# Altium PCB StepTMC5160.PcbDoc (part 2 of 3)
Units mm, origin at the board's own origin, x right, y up, seen from the top; angles counter-clockwise.
Board outline 116.59 x 111.76 mm, 4 copper layers (Component Side, GND, VCC, Bottom Layer), stack 0.778 mm thick; 199 components, 142 nets, 717 pads, 598 vias.
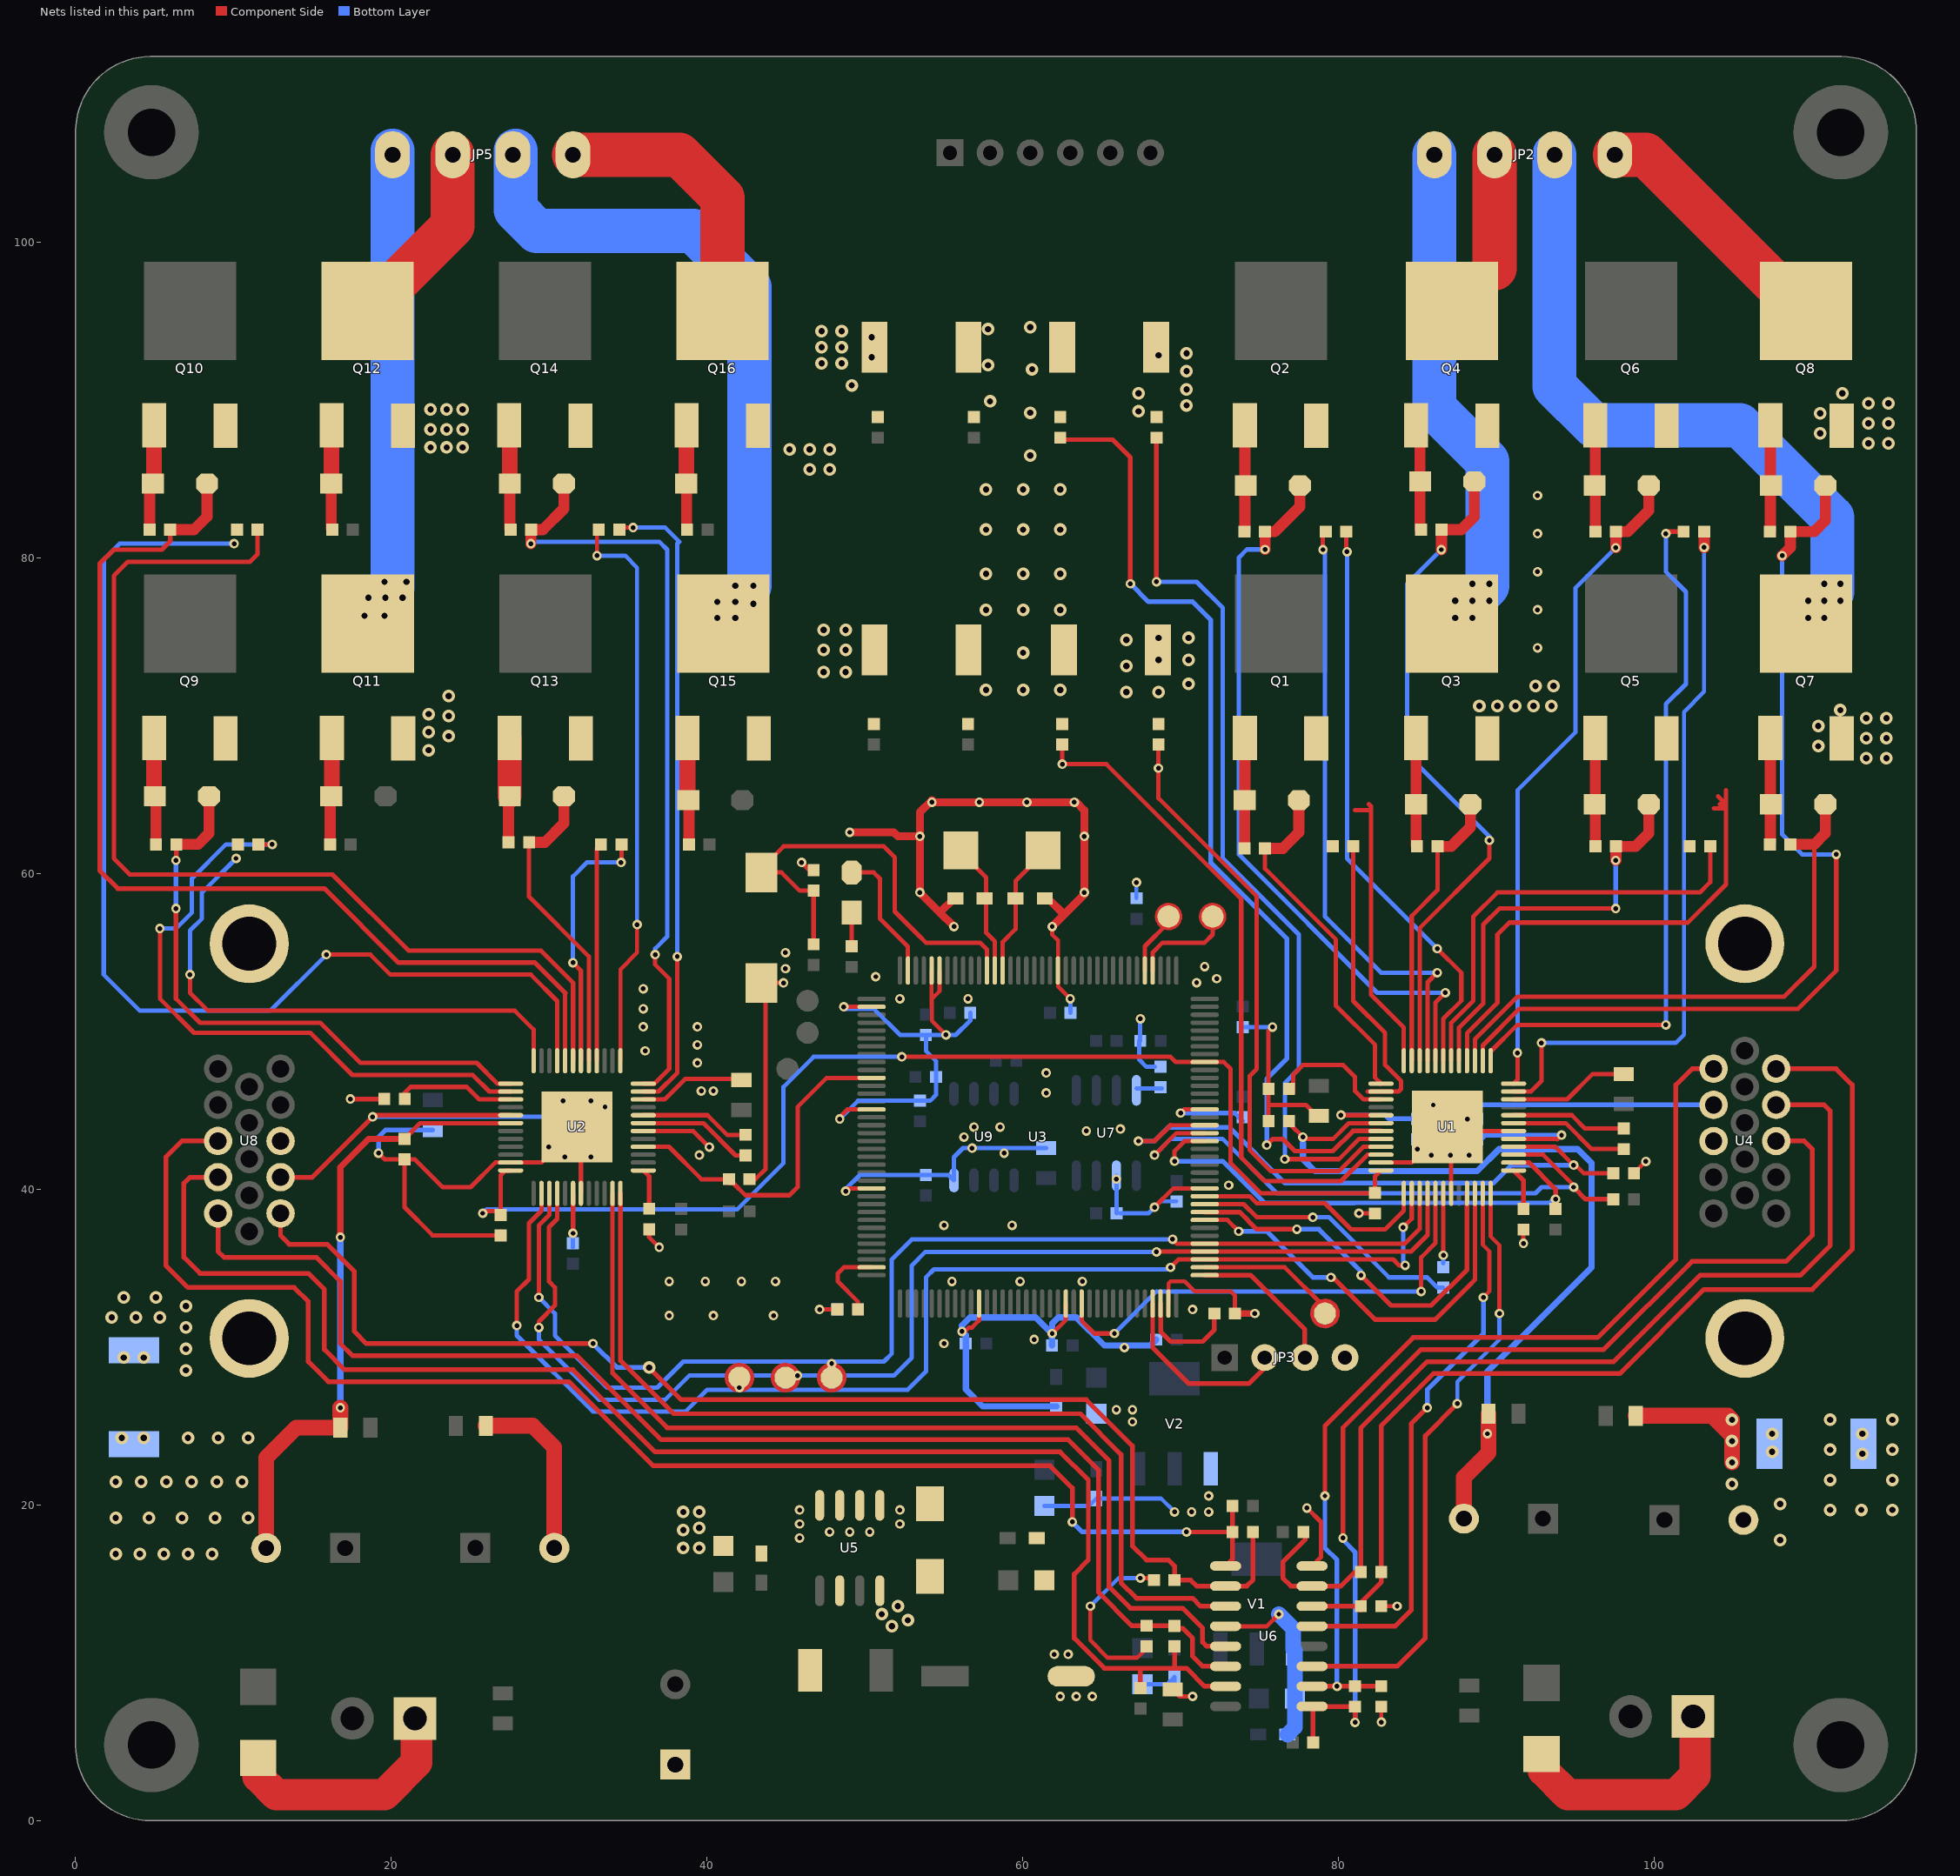
[diagram p4: the nets of this part, all layers, seen from the top]

## Via types
v1: diameter 0.6, hole 0.3, Component Side to Bottom Layer, 288 vias
v2: diameter 0.8, hole 0.4, Component Side to Bottom Layer, 278 vias
v3: diameter 0.5, hole 0.5, Component Side to Bottom Layer, tented both sides, 32 vias

## Nets (pads, with @x,y where several pads share a name; then routed paths per layer and width w, separated by ;. In a path a pad name is that pad's centre, name@x,y a point inside that pad or via, vN(x,y) a via of type N, cw(c..) or ccw(c..) an arc to the next point about the centre after c; other vN are vias at no path point) (continued)
DGND: C1.1 C4.1 C7.1 C8.1 C9.1 C10.1 C11.1 C12.1 C17.2 C18.2 C19.1 C20.1 C21.1 C22.1 C23.1 C24.1 C25.1 C26.1 C27.1 C29.1 C30.1 C31.1 C32.1 C33.1 C34.1 C35.1 C37.1 C41.1 C42.1 C43.1 C44.1 C46.1 C47.1 C52.1 C53.1 C58.1 C59.2 JP3.4 R6.2 R8.2 R9.2 R14.2 R19.2 R26.2 R32.1 R33.1 R36.1 R37.1 R47.2 R55.2 R60.2 R66.2 R69.1 R73.1 R74.2 S1.2 U1.11 U1.19 U1.30 U1.49 U2.11 U2.19 U2.30 U2.49 U3.16 U3.31 U3.32 U3.38 U3.51 U3.61 U3.83 U3.94 U3.107 U3.120 U3.130 U4.3 U4.16 U4.17 U6.8 U6.12 U7.2 U8.3 U8.16 U8.17 U9.4 V1.1 V2.1 | length 283
  Component Side w0.254: U3.32@54.21,53.857 54.21,51.454 54.229,51.435 ; U3.31@54.71,53.857 54.71,52.551 54.229,52.07 54.229,51.435 ; v1(55.118,49.784) 54.229,50.673 54.229,51.435 ; v1(61.849,56.642) 61.849,56.134 62.21,55.773 U3.16@62.21,53.857 62.21,52.852 v1(62.992,52.07) ; v1(64.262,13.589) 64.262,11.43 65.37,10.322 67.218,10.322 67.818,10.922 R69.1@67.818,11.049 ; U3.107@69.21,32.757 69.21,34.031 69.342,34.163 70.231,34.163 70.866,33.528 73.152,33.528 73.421,33.259 C18.2@73.421,32.131 ; v1@82.677,6.223 v1(82.692,6.238) R36.1@82.692,7.224 ; R37.1@82.692,13.589 v1(83.693,13.589)
  Component Side w0.279: v1(19.177,42.291) 19.573,41.895 R47.2@20.828,41.895 ; R47.2@21.031,41.692 R47.2@20.828,41.895 ; R55.2@26.924,37.323 26.685,37.084 22.606,37.084 20.828,38.862 R47.2@20.828,41.895 ; U2.19@31.999,39.741 31.999,43.693 U2.49@31.75,43.942 29.5,41.692 U2.11@27.551,41.692 26.579,41.692 25.019,40.132 23.241,40.132 21.478,41.895 R47.2@20.828,41.895 ; U2.30@35.949,43.691 37.462,43.691 ; R66.2@36.322,37.45 36.322,36.957 v1(36.957,36.322) ; 37.465,43.688 37.462,43.691 ; v1(40.132,42.672) 39.113,43.691 37.462,43.691 ; R60.2@42.682,40.64 43.053,40.64 43.688,41.275 43.688,52.817 S1.2@43.434,53.071 v1(44.831,53.071) ; v1(45.974,60.706) 46.467,60.213 C33.1@46.736,60.213 ; v1(47.117,32.385) C17.2@48.245,32.385 ; v1(48.387,44.45) 48.387,44.577 48.867,45.057 U3.51@50.41,45.057 ; v1(48.641,51.562) 48.646,51.557 U3.38@50.41,51.557 ; v1(48.768,39.878) 48.768,40.005 48.82,40.057 U3.61@50.41,40.057 ; v1(56.134,30.988) 56.325,30.988 56.578,31.242 56.769,31.242 57.21,31.683 U3.83@57.21,32.757 ; v1(61.849,30.861) 62.71,31.722 U3.94@62.71,32.757 ; v1(67.437,15.367) 68.169,15.367 R73.1@68.296,15.24 ; v1(68.326,38.862) 69.521,40.057 U3.120@71.51,40.057 ; C37.1@69.469,8.316 69.911,7.874 v1(70.739,7.874) ; v1(69.977,44.831) 70.203,45.057 U3.130@71.51,45.057 ; U6.12@72.829,12.319 75.438,12.319 v1(76.2,13.081) ; R6.2@75.55,44.323 75.55,45.339 ; v1(75.804,50.277) 75.55,50.023 75.55,45.339 ; v1(77.978,19.812) 78.867,18.923 78.867,16.695 U6.8@78.301,16.129 ; C4.1@78.74,44.516 77.917,45.339 75.55,45.339 ; v1(81.28,38.481) 82.281,38.481 R14.2@82.296,38.466 ; U1.11@82.669,41.692 84.618,41.692 U1.49@86.868,43.942 U1.49@87.117,43.693 ; U1.19@87.117,39.741 U1.49@87.117,43.693 ; U1.30@91.067,43.691 87.119,43.691 U1.49@87.117,43.693 ; v1(91.694,36.576) R26.2@91.694,37.45 ; R19.2@98.694,41.021 v1(99.441,41.768)
  Component Side w0.3: v1(17.399,45.72) 17.907,45.72 C46.1@19.543,45.72
  Component Side w0.4: C18.2@73.421,32.131 v1(74.676,32.131)
  Component Side w0.5: v1(49.022,62.611) 51.816,62.611 52.07,62.357 v1(53.467,62.357) ; v1(54.229,64.516) v1(57.235,64.516) v1(60.24,64.516) v1(63.246,64.516) 63.373,64.516 63.881,64.008 v1(63.881,62.357) v1(63.881,58.801) 63.881,58.674 62.611,57.404 ; v1@54.229,64.643 53.467,63.881 v1(53.467,62.357) ; v1(55.626,56.642) 54.737,57.531 ; C35.1@55.715,58.42 55.626,58.42 54.737,57.531 ; C34.1@61.379,58.42 61.595,58.42 62.611,57.404 ; v1(61.849,56.642) 62.611,57.404 ; v1(53.467,62.357) v1(53.467,58.801) 54.737,57.531
  Bottom Layer w0.254: C43.1@61.341,19.939 64.173,19.939 C44.1@64.643,20.409 68.745,20.409 v1(69.596,19.558) ; v1(62.992,52.07) 63.007,52.055 C25.1@63.007,51.181 ; v1(64.262,13.589) 66.04,15.367 v1(67.437,15.367) ; C31.1@67.183,58.435 67.183,58.674 v1(67.183,59.436) ; v1(68.326,38.862) 68.692,39.228 C20.1@69.723,39.228
  Bottom Layer w0.279: v1(47.117,32.385) 48.118,32.385 C22.1@48.245,32.258 ; v1(48.387,44.45) 49.545,45.608 C21.1@53.467,45.608 54.117,45.608 54.483,45.974 R33.1@54.483,47.117 54.483,48.133 53.848,48.768 C23.1@53.848,49.769 ; v1(48.641,51.562) 48.768,51.435 50.546,51.435 52.212,49.769 C23.1@53.848,49.769 ; v1(48.768,39.878) 48.768,40.005 49.672,40.909 C24.1@53.848,40.909 55.283,40.909 U9.4@55.626,40.566 55.626,42.037 56.195,42.606 C59.2@61.468,42.606 ; C32.1@56.657,51.181 56.657,50.688 55.738,49.769 C23.1@53.848,49.769 ; C58.1@65.913,38.481 U7.2@65.913,40.856 ; C58.1@66.152,38.481 67.945,38.481 v1(68.326,38.862) ; R32.1@67.358,49.403 67.358,48.212 67.818,47.752 R74.2@68.356,47.752 ; R32.1@67.422,49.403 67.422,50.658 v1@67.437,50.673 ; C11.1@67.564,8.636 69.126,8.636 C12.1@69.596,9.106 69.596,8.255 69.977,7.874 v1(70.739,7.874) ; v1(69.977,44.831) 73.406,44.831 C30.1@73.914,44.323 ; C19.1@73.914,50.277 v1(75.804,50.277) ; v1(84.963,42.545) C8.1@84.963,43.165 ; v1(88.138,44.45) 88.758,44.45 C7.1@88.773,44.465
  Bottom Layer w0.3: v1(19.177,42.291) 19.177,43.307 19.624,43.754 C47.1@22.606,43.754
  Bottom Layer w0.4: C27.1@61.834,30.099 v1@61.834,30.846 ; C42.1@62.103,26.251 57.442,26.251 56.373,27.32 C26.1@56.373,30.226 56.373,30.749 v1(56.134,30.988) 56.134,31.369 56.642,31.877 60.803,31.877 v1@61.834,30.846 ; C29.1@68.438,30.48 68.057,30.099 65.151,30.099 63.373,31.877 62.23,31.877 61.849,31.496 v1(61.849,30.861) v1@61.834,30.846
  Bottom Layer w0.7: v1(29.972,42.672) C53.1@29.972,43.292 ; C52.1@33.528,44.592 v1(33.528,45.212)
  Bottom Layer w1: v1(76.2,13.081) 77.103,12.178 V1.1@77.103,10.866 77.216,10.753 C9.1@77.216,7.747 77.216,5.931 C10.1@76.746,5.461
  other v1: 70.675,19.558 71.755,19.558 71.755,20.574 66.929,25.273 65.913,26.035 66.929,26.035 66.421,29.972 54.991,30.226 60.706,30.48 37.592,32.004 40.386,32.004 44.196,32.004 70.739,32.385 37.592,34.163 39.878,34.163 42.164,34.163 44.323,34.163 55.499,34.163 59.817,34.163 63.754,34.163 54.991,37.719 59.309,37.719 73.025,40.259 65.913,40.64 30.988,42.037 32.639,42.037 39.497,42.164 85.852,42.164 87.058,42.164 88.265,42.164 58.801,42.291 56.769,42.606 56.261,43.307 64.008,43.688 66.167,43.815 56.896,43.942 58.547,43.942 85.979,45.339 30.861,45.593 32.639,45.593 61.468,46.101 39.624,46.228 40.386,46.228 61.468,47.371 39.37,48.006 36.068,48.768 39.37,49.149 35.941,50.292 39.37,50.292 67.437,50.8 35.941,51.435 52.197,52.07 56.515,52.07 35.941,52.705 70.993,53.086 72.263,53.34 50.673,53.467 44.958,53.975 71.501,54.102 44.958,54.991
  other v2: 111.125,19.685 113.093,19.685 115.062,19.685 111.125,21.59 115.062,21.59 113.157,23.241 111.125,23.495 115.062,23.495 113.157,24.511 111.125,25.4 115.062,25.4 6.985,28.533 3.048,29.337 4.318,29.337 6.985,29.887 6.985,31.242 2.286,31.877 3.81,31.877 5.334,31.877 6.985,32.597 3.048,33.147 5.08,33.147
GND: C2.1 C3.1 C38.1 C39.1 C40.2 C45.2 C48.1 C49.1 CE1.2 CE2.2 CE3.1 CE4.2 CE5.2 D3.1 D11.1 D14.1 E1.2 JP1.1 JP4.1 R6.1 R8.1 R9.1 R10.1 R11.2 R22.1 R25.2 R47.1 R51.1 R52.2 R64.1 R67.2 U1.6 U2.6 U5.4 U5.5 U5.6 U5.7 U5.8 | length 147.7
  Component Side w0.279: R47.1@20.828,43.195 21.824,44.191 U2.6@27.551,44.191 ; R6.1@76.962,44.323 76.962,44.069 v1(77.724,43.307) 77.851,43.18 79.629,43.18 80.64,44.191 U1.6@82.669,44.191
  Component Side w0.4: v1(16.764,36.957) 16.764,41.402 18.557,43.195 R47.1@20.828,43.195
  Component Side w1: CE5.2@12.065,17.272 12.065,22.987 13.97,24.892 C49.1@16.764,24.892 v1(16.764,26.162) ; C48.1@25.969,25.019 28.956,25.019 30.313,23.662 CE4.2@30.313,17.279 ; CE1.2@87.924,19.133 87.924,21.757 89.474,23.307 C2.1@89.474,25.781 ; C3.1@98.806,25.654 103.632,25.654 ; v2(104.902,22.691) v2(104.902,24.045) v2@104.902,24.384 ; 103.632,25.654 v2@104.902,24.384 ; 103.632,25.654 104.648,25.654 v2(104.902,25.4) v2@104.902,24.384
  Component Side w2: D14.1@11.557,4.1 D14.1@11.557,3.973 11.557,2.794 12.7,1.651 19.558,1.651 21.59,3.683 JP4.1@21.59,6.731 ; D3.1@92.964,4.1 92.964,3.175 94.488,1.651 101.346,1.651 102.564,2.869 JP1.1@102.564,6.731
  Bottom Layer w0.279: 77.724,42.926 v1(77.724,43.307)
  Bottom Layer w0.4: v1(16.764,26.162) v1(16.764,36.957) ; 77.724,42.926 77.724,41.91 78.486,41.148 88.757,41.148 90.154,42.545 95.123,42.545 96.012,41.656 96.012,35.052 89.408,28.448 v1(89.408,24.511)
  other v1: 62.357,7.874 63.373,7.874 64.389,7.874 61.976,10.541 62.865,10.541 45.847,17.907 47.752,18.288 49.022,18.288 50.292,18.288 45.847,18.796 52.197,18.796 45.847,19.685 52.197,19.685
  other v2: 51.689,12.319 52.705,12.7 51.054,13.081 52.07,13.589 2.54,16.891 4.064,16.891 5.588,16.891 7.112,16.891 8.636,16.891 38.481,17.272 39.497,17.272 107.95,17.78 38.481,18.415 39.497,18.542 2.54,19.177 4.635,19.177 6.731,19.177 8.826,19.177 10.922,19.177 38.481,19.558 39.497,19.558 107.95,20.066 104.902,21.336 2.54,21.463 4.14,21.463 5.74,21.463 7.341,21.463 8.941,21.463 10.541,21.463 107.442,23.368 2.921,24.257 4.318,24.257 7.112,24.257 9.017,24.257 10.922,24.257 107.442,24.511 57.658,71.628 60.008,71.628 62.357,71.628 60.008,73.99 57.658,76.708 60.008,76.708 62.357,76.708 57.658,78.994 60.008,78.994 62.357,78.994 57.658,81.788 60.008,81.788 62.357,81.788 57.658,84.328 60.008,84.328 62.357,84.328 60.452,86.487 60.452,89.196 57.912,89.916 60.579,91.948 57.785,92.202 57.785,94.488 60.452,94.615
LED: LED1.2 U3.35 | length 8.5
  Component Side w0.279: LED1.2@49.149,60.071 50.546,60.071 50.927,59.69 50.927,57.155 52.71,55.372 U3.35@52.71,53.857
M1_ENA+: R35.2 R36.2 U4.1 U6.2 | length 61.8
  Component Side w0.3: U6.2@78.301,8.509 v1(79.883,8.509) 82.789,8.509 R36.2@82.804,8.524 ; v1(79.121,20.574) 79.121,25.019 84.709,30.607 96.393,30.607 101.346,35.56 101.346,46.609 102.372,47.635 U4.1@103.736,47.635
  Bottom Layer w0.3: v1(79.121,20.574) 79.121,17.272 79.883,16.51 v1(79.883,8.509)
M1_ENA-: R34.1 R35.1 U4.13 U6.1 | length 67.7
  Component Side w0.3: U6.1@78.301,7.239 U6.1@78.316,7.224 ; R34.1@78.374,4.953 78.374,7.165 U6.1@78.316,7.224 ; v1(80.264,17.907) 80.264,24.892 85.217,29.845 96.774,29.845 102.362,35.433 108.331,35.433 109.982,37.084 109.982,42.545 109.471,43.056 U4.13@107.696,43.056 ; v1(81.026,6.223) R35.1@81.026,7.224 U6.1@78.316,7.224
  Bottom Layer w0.3: v1(80.264,17.907) 80.264,17.78 81.026,17.018 v1(81.026,6.223)
M1_ENB+: R37.2 R38.2 U4.11 U6.6 | length 65.4
  Component Side w0.3: U6.6@78.301,13.589 R37.2@81.138,13.589 ; R37.2@81.392,13.335 R37.2@81.138,13.589 ; U4.11@107.696,47.635 U4.11@107.699,47.635 111.496,47.635 112.522,46.609 112.522,36.195 109.982,33.655 103.124,33.655 97.79,28.321 85.979,28.321 82.692,25.034 R38.2@82.692,15.748 82.692,15.128 81.153,13.589 R37.2@81.138,13.589
M1_ENB-: R38.1 R39.1 U4.12 U6.7 | length 64.8
  Component Side w0.3: R39.1@77.881,18.288 77.881,17.81 76.454,16.383 76.454,15.367 76.962,14.859 U6.7@78.301,14.859 80.137,14.859 81.026,15.748 R38.1@81.392,15.748 81.392,24.877 85.598,29.083 97.409,29.083 102.87,34.544 109.22,34.544 111.125,36.449 111.125,44.958 110.736,45.347 U4.12@107.696,45.347
M1_ENCA: U1.24 U6.3 | length 38.3
  Component Side w0.254: U1.24@89.619,39.741 89.619,37 90.17,36.449 v1(90.17,32.131)
  Component Side w0.3: U6.3@78.301,9.779 83.693,9.779 85.471,11.557 85.471,24.384 v1(87.503,26.416)
  Bottom Layer w0.254: v1(87.503,26.416) 87.503,27.813 90.17,30.48 v1(90.17,32.131)
M1_ENCB: U1.23 U6.5 | length 35.3
  Component Side w0.254: U1.23@89.118,39.741 89.118,36.485 89.535,36.068 89.535,33.528 v1(89.154,33.147)
  Component Side w0.3: U6.5@78.301,12.319 83.566,12.319 84.582,13.335 84.582,25.146 v1(85.598,26.162)
  Bottom Layer w0.3: v1(85.598,26.162) 85.598,27.305 89.154,30.861 v1(89.154,33.147)
M1_ENCN: R26.1 U1.25 | length 2.7
  Component Side w0.3: U1.25@91.067,41.191 91.694,40.564 R26.1@91.694,38.75
M2_ENA+: R71.2 R73.2 U6.10 U8.1 | length 81.9
  Component Side w0.3: U8.1@12.977,38.476 12.977,37.061 13.517,36.521 15.93,36.521 17.653,34.798 17.653,30.988 18.415,30.226 v1(32.766,30.226) ; v2(36.322,28.702) 38.354,26.67 64.008,26.67 66.929,23.749 66.929,17.399 67.818,16.51 69.215,16.51 69.596,16.129 R73.2@69.596,15.24 70.612,15.24 70.993,14.859 U6.10@72.829,14.859 74.168,14.859 74.564,15.255 R71.2@74.564,18.288
  Bottom Layer w0.3: v1(32.766,30.226) 34.29,28.702 v2(36.322,28.702)
M2_ENA-: R71.1 R72.1 U6.9 U8.13 | length 92.6
  Component Side w0.3: U8.13@9.017,43.056 6.734,43.056 5.715,42.037 5.715,35.179 7.112,33.782 13.843,33.782 14.732,32.893 14.732,29.083 16.002,27.813 31.242,27.813 36.576,22.479 61.722,22.479 63.119,21.082 v1(63.119,18.923) ; v1(70.358,18.288) R71.1@73.264,18.288 ; U6.9@72.829,16.129 73.264,16.563 R71.1@73.264,18.288 ; R72.1@73.264,19.939 R71.1@73.264,18.288
  Bottom Layer w0.3: v1(63.119,18.923) 63.754,18.288 v1(70.358,18.288)
M2_ENB+: R69.2 R70.1 U6.14 U8.11 | length 84.6
  Component Side w0.3: U8.11@9.017,38.476 9.017,36.068 9.398,35.687 15.24,35.687 16.764,34.163 16.764,30.226 17.526,29.464 31.75,29.464 37.084,24.13 62.865,24.13 64.77,22.225 64.77,14.478 66.899,12.349 R69.2@67.818,12.349 69.581,12.349 R70.1@69.596,12.334 69.738,12.192 70.104,12.192 70.739,11.557 70.739,10.414 71.374,9.779 U6.14@72.829,9.779
M2_ENB-: R68.1 R70.2 U6.15 U8.12 | length 96.4
  Component Side w0.3: U8.12@9.017,40.764 7.236,40.764 6.858,40.386 6.858,35.687 7.874,34.671 14.732,34.671 15.748,33.655 15.748,29.845 17.018,28.575 31.495,28.575 36.702,23.368 62.357,23.368 64.135,21.59 64.135,16.51 63.246,15.621 63.246,11.557 65.151,9.652 67.437,9.652 ; R68.1@67.437,8.397 67.437,9.652 ; R70.2@69.596,11.034 69.596,9.652 ; U6.15@72.732,8.412 U6.15@72.829,8.509 71.501,8.509 70.358,9.652 69.596,9.652 ; 67.437,9.652 69.596,9.652
M2_ENCA: U2.24 U6.11 | length 60.1
  Component Side w0.3: U2.24@34.501,39.741 34.514,39.728 34.514,29.134 37.867,25.781 63.627,25.781 66.213,23.195 66.213,15.067 67.183,14.097 70.739,14.097 71.247,13.589 U6.11@72.829,13.589
M2_ENCB: U2.23 U6.13 | length 62.6
  Component Side w0.279: 34,28.357 U2.23@34,39.741
  Component Side w0.3: 34,28.357 37.465,24.892 63.373,24.892 65.451,22.814 65.451,14.813 66.802,13.462 70.104,13.462 71.374,12.192 71.374,11.303 71.628,11.049 U6.13@72.829,11.049
M2_ENCN: R66.1 U2.25 | length 2.6
  Component Side w0.279: U2.25@35.949,41.191 36.322,40.818 R66.1@36.322,38.75
NetC15_1: C15.1 U1.34 | length 7.6
  Component Side w0.279: U1.34@91.067,45.692 94.46,45.692 96.073,47.305 C15.1@98.044,47.305
NetC16_1: C16.1 U1.32 | length 7.3
  Component Side w0.279: U1.32@91.067,44.691 94.755,44.691 95.601,43.845 C16.1@98.044,43.845
NetC16_2: C16.2 U1.31 | length 7.7
  Component Side w0.279: U1.31@91.067,44.191 94.366,44.191 96.012,42.545 C16.2@98.044,42.545
NetC17_1: C17.1 U3.71 | length 5.1
  Component Side w0.279: C17.1@49.545,32.385 49.545,32.878 48.26,34.163 48.26,34.671 48.646,35.057 U3.71@50.41,35.057
NetC18_1: C18.1 U3.106 | length 6.8
  Component Side w0.3: U3.106@68.71,32.757 68.71,30.985 69.342,30.353 71.374,30.353 72.121,31.1 C18.1@72.121,32.131
NetC56_1: C56.1 U2.34 | length 6.8
  Component Side w0.279: U2.34@35.949,45.692 37.31,45.692 38.608,46.99 C56.1@42.164,46.99
NetC57_1: C57.1 U2.32 | length 7
  Component Side w0.279: U2.32@35.949,44.691 40.018,44.691 41.26,43.449 C57.1@42.418,43.449
NetC57_2: C57.2 U2.31 | length 7.3
  Component Side w0.279: U2.31@35.949,44.191 39.756,44.191 41.798,42.149 C57.2@42.418,42.149
NetD1_1: D1.1 Q1.1 R1.2 | length 6.9
  Component Side w0.7: R1.2@74.041,61.737 D1.1@74.041,64.643 74.052,64.654 Q1.1@74.052,68.586
NetD2_1: D2.1 Q2.1 R2.2 | length 6.6
  Component Side w0.7: R2.2@74.052,81.762 Q2.1@74.052,88.398
NetD4_1: D4.1 Q3.1 R4.2 | length 6.9
  Component Side w0.7: Q3.1@84.89,68.586 84.89,64.399 D4.1@84.9,64.389 84.9,61.771 R4.2@84.948,61.722
NetD5_1: D5.1 Q4.1 R5.2 | length 6.6
  Component Side w0.7: Q4.1@85.144,88.398 85.144,81.846 R5.2@85.202,81.788
NetD6_1: D6.1 Q5.1 R12.2 | length 6.9
  Component Side w0.7: Q5.1@96.235,68.586 96.235,61.738 R12.2@96.251,61.722
NetD7_1: D7.1 Q6.1 R13.2 | length 6.6
  Component Side w0.7: R13.2@96.235,81.772 Q6.1@96.235,88.398
NetD8_1: D8.1 Q7.1 R15.2 | length 6.6
  Component Side w0.7: R15.2@107.326,61.95 Q7.1@107.326,68.586
NetD9_1: D9.1 Q8.1 R16.2 | length 6.7
  Component Side w0.7: R16.2@107.3,81.661 107.326,81.687 Q8.1@107.326,88.398
NetD11_2: D11.2 L1.1 U5.2
NetD12_1: D12.1 Q9.1 R42.2 | length 6.8
  Component Side w0.279: D12.1@4.953,65.024 5.016,64.96 D12.1@5.016,64.897
  Component Side w0.7: D12.1@5.016,64.897 5.08,64.834 R42.2@5.08,61.849
  Component Side w1: D12.1@4.953,65.024 4.964,65.035 Q9.1@4.964,68.586
NetD13_1: D13.1 Q10.1 R43.2 | length 6.7
  Component Side w0.7: R43.2@4.684,81.788 4.684,84.504 D13.1@4.889,84.709
  Component Side w1: D13.1@4.889,84.709 4.964,84.784 Q10.1@4.964,88.398
NetD15_1: D15.1 Q11.1 R46.2 | length 6.8
  Component Side w0.7: R46.2@16.114,61.849 16.114,64.819 D15.1@16.192,64.897
  Component Side w1: D15.1@16.192,64.897 16.225,64.93 Q11.1@16.225,68.586
NetD16_1: D16.1 Q12.1 R45.2 | length 6.6
  Component Side w0.7: D16.1@16.192,84.709 16.192,81.852 R45.2@16.256,81.788
  Component Side w1: D16.1@16.192,84.709 16.192,88.385 Q12.1@16.206,88.398
NetD17_1: D17.1 Q13.1 R53.2 | length 6.6
  Component Side w0.7: R53.2@27.417,61.976 27.417,64.819 D17.1@27.495,64.897
  Component Side w1.5: Q13.1@27.486,68.586 27.486,64.907 D17.1@27.495,64.897
NetD18_1: D18.1 Q14.1 R54.2 | length 6.6
  Component Side w0.7: D18.1@27.495,84.709 27.495,81.837 R54.2@27.544,81.788
  Component Side w1: Q14.1@27.447,88.398 27.495,88.349 D18.1@27.495,84.709
NetD19_1: D19.1 Q15.1 R56.2 | length 6.8
  Component Side w0.7: R56.2@38.847,61.849 38.847,64.565 D19.1@38.925,64.643
  Component Side w1: Q15.1@38.746,68.586 38.746,64.822 D19.1@38.925,64.643
NetD20_1: D20.1 Q16.1 R57.2 | length 6.6
  Component Side w0.7: D20.1@38.688,84.726 38.688,81.82 R57.2@38.72,81.788
  Component Side w1: D20.1@38.672,84.709 38.688,84.726 Q16.1@38.688,88.398
NetLED1_1: LED1.1 R27.1 | length 2.1
  Component Side w0.279: R27.1@49.149,55.387 LED1.1@49.149,57.531
NetQ3_3: Q3.3 Q4.3 R7.2 R10.2
  other v1: 92.583,74.295 92.583,76.708 92.583,79.121 92.583,81.534 92.583,83.947
  other v2: 88.9,70.612 90.043,70.612 91.186,70.612 92.329,70.612 93.472,70.612 66.548,71.501 68.58,71.501 92.456,71.882 93.599,71.882 70.485,72.009 66.548,73.152 68.58,73.533 70.485,73.533 66.548,74.803 68.58,74.93 70.485,74.93
NetQ7_3: Q7.3 Q8.3 R18.2 R22.2
  other v2: 113.411,67.31 114.681,67.31 110.363,68.072 113.411,68.58 114.681,68.58 110.363,69.342 113.411,69.85 114.681,69.85 111.76,70.358 113.538,87.249 114.808,87.249 110.49,87.884 113.538,88.519 114.808,88.519 110.49,89.154 67.31,89.281 70.358,89.662 113.538,89.789 114.808,89.789 67.31,90.424 111.887,90.424 70.358,90.678 70.358,91.821 68.58,92.837 70.358,92.964
NetQ11_3: Q11.3 Q12.3 R48.2 R51.2
  other v2: 22.352,67.818 23.622,68.707 22.352,68.961 23.622,69.977 22.352,70.104 23.622,71.247 22.479,86.995 23.495,86.995 24.511,86.995 22.479,88.138 23.495,88.138 24.511,88.138 22.479,89.408 23.495,89.408 24.511,89.408 49.149,90.932 47.244,92.329 48.514,92.329 50.419,92.71 47.244,93.345 48.514,93.345 50.419,93.98 47.244,94.361 48.514,94.361
NetQ15_3: Q15.3 Q16.3 R59.2 R64.2
  other v2: 47.371,72.771 48.768,72.771 47.371,74.168 48.768,74.168 47.371,75.438 48.768,75.438 46.482,85.598 47.752,85.598 45.212,86.868 46.482,86.868 47.752,86.868
NetR17_1: R17.1 U1.18 | length 4.9
  Component Side w0.279: v1(86.619,35.819) U1.18@86.619,39.741
  Bottom Layer w0.279: R17.1@86.614,35.321 86.614,36.068 86.619,36.063 v1(86.619,35.819)
NetR58_1: R58.1 U2.18 | length 3.4
  Component Side w0.279: v1(31.496,37.211) 31.496,37.338 31.501,37.343 U2.18@31.501,39.741
  Bottom Layer w0.279: R58.1@31.496,36.337 R58.1@31.496,36.576 v1(31.496,37.211)
NetR74_1: R74.1 U7.8 | length 1.6
  Bottom Layer w0.279: U7.8@67.183,46.393 R74.1@68.781,46.393
OSC_IN: C34.2 U3.23 X1.2 | length 8.6
  Component Side w0.279: U3.23@58.71,53.857 58.71,55.662 59.525,56.477 C34.2@59.525,58.42 59.525,59.525 61.147,61.147 X1.2@61.147,61.468
OSC_OUT: C35.2 U3.24 X1.1 | length 8.5
  Component Side w0.279: X1.1@55.947,61.468 57.658,59.757 57.658,56.261 58.21,55.709 U3.24@58.21,53.857
PA15: PA15.1 U3.110 | length 8.5
  Component Side w0.279: U3.110@71.51,35.057 76.576,35.057 PA15.1@78.994,32.639
PE5: PE5.1 U3.4 | length 6.2
  Component Side w0.279: U3.4@68.21,53.857 68.21,55.002 68.834,55.626 71.501,55.626 72.009,56.134 PE5.1@72.009,56.896
PE6: PE6.1 U3.5 | length 4
  Component Side w0.279: U3.5@67.71,53.857 67.71,55.391 69.215,56.896 PE6.1@69.215,57.277
RST: C33.2 R28.1 S1.1 U3.25 | length 28.3
  Component Side w0.279: R28.1@46.736,55.514 C33.2@46.736,58.913 45.862,58.913 44.704,60.071 S1.1@43.434,60.071 43.434,60.325 44.831,61.722 51.181,61.722 51.88,61.023 51.88,57.594 53.34,56.134 53.848,55.626 57.277,55.626 57.71,55.193 U3.25@57.71,53.857
SPI1_SCK: SCK.1 U1.14 U2.14 U3.111 | length 80.5
  Component Side w0.279: v1(27.94,31.369) 27.94,33.528 28.702,34.29 28.702,37.846 29.5,38.644 U2.14@29.5,39.741 ; v1(69.342,35.052) 69.847,35.557 U3.111@71.51,35.557 83.442,35.557 83.82,35.179 v1(84.201,35.179) ; v1(84.074,37.592) 84.618,38.136 U1.14@84.618,39.741
  Bottom Layer w0.279: v1(27.94,31.369) 27.94,30.734 32.766,25.908 38.608,25.908 40.005,27.305 52.705,27.305 53.848,28.448 53.848,34.417 54.356,34.925 69.088,34.925 v1@69.342,35.179 ; v1(84.074,37.592) 84.074,35.306 v1(84.201,35.179)
  other v1: 42.037,27.432
SPI1_SDI: MOSI.1 U1.15 U2.15 U3.113 | length 76
  Component Side w0.279: v1(29.337,33.147) 29.337,37.719 30,38.382 U2.15@30,39.741 ; v1(69.469,36.83) 69.742,36.557 U3.113@71.51,36.557 84.182,36.557 85.118,37.493 U1.15@85.118,39.741
  Bottom Layer w0.279: v1(29.337,33.147) 30.353,32.131 30.353,30.734 33.655,27.432 36.83,27.432 38.481,29.083 51.181,29.083 51.689,29.591 51.689,35.56 52.959,36.83 v1(69.469,36.83)
  other v1: 47.879,28.956
SPI1_SDO: MISO.1 U1.16 U2.16 U3.112 | length 78.3
  Component Side w0.279: v1(29.337,31.242) 29.337,31.623 30.353,32.639 30.353,33.782 29.972,34.163 29.972,37.592 30.5,38.12 U2.16@30.5,39.741 ; v1(68.453,36.037) 68.473,36.057 U3.112@71.51,36.057 84.571,36.057 85.618,37.104 U1.16@85.618,39.741
  Bottom Layer w0.279: v1(29.337,31.242) 29.337,30.48 33.147,26.67 37.338,26.67 38.862,28.194 51.816,28.194 52.959,29.337 52.959,35.179 53.817,36.037 v1(68.453,36.037)
  other v1: 45.72,28.194
SWCLK: JP3.3 U3.109 | length 9.5
  Component Side w0.3: U3.109@71.51,34.557 74.409,34.557 77.851,31.115 JP3.3@77.851,29.337
SWDIO: JP3.2 U3.105 | length 11.9
  Component Side w0.3: U3.105@68.21,32.757 68.21,29.961 70.485,27.686 74.295,27.686 75.311,28.702 JP3.2@75.311,29.337
TMC_CLK: R14.1 R55.1 U1.12 U2.12 U3.136 | length 76.8
  Component Side w0.279: v1(25.781,38.481) 25.781,38.354 26.05,38.623 R55.1@26.924,38.623 ; R55.1@26.924,38.369 R55.1@26.924,38.623 ; U2.12@27.551,41.191 27.221,41.191 26.924,40.894 26.924,39.004 R55.1@26.924,38.623 ; v1(52.324,48.387) 69.342,48.387 69.672,48.057 U3.136@71.51,48.057 72.72,48.057 73.152,47.625 73.152,41.656 75.057,39.751 82.296,39.751 R14.1@82.296,39.766 82.296,40.818 U1.12@82.669,41.191
  Bottom Layer w0.279: v1(25.781,38.481) 26.035,38.735 41.91,38.735 44.831,41.656 44.831,46.482 46.736,48.387 v1(52.324,48.387)
U1_5VOUT: C8.2 R3.1 U1.5 U4.2 | length 26.7
  Component Side w0.3: v1(80.137,44.704) 80.149,44.692 U1.5@82.669,44.691
  Bottom Layer w0.3: v1(80.137,44.704) 82.931,44.704 83.17,44.465 R3.1@86.868,44.465 86.868,44.582 87.63,45.344 U4.2@103.736,45.344
U1_12VOUT: C1.2 U1.3 | length 8.4
  Component Side w0.279: C1.2@77.104,46.101 77.104,47.259 77.724,47.879 80.264,47.879 81.026,47.117 81.026,46.228 81.562,45.692 U1.3@82.669,45.692
U1_BMA1: C13.1 JP2.3 Q5.3 Q7.2 U1.40 | length 74.1
  Component Side w0.279: U1.40@88.118,48.141 88.118,49.891 90.043,51.816 90.043,56.134 90.805,56.896 102.108,56.896 104.521,59.309 104.521,64.135 ; 103.759,64.135 104.394,64.135 ; 104.013,64.897 104.521,64.389 ; 104.14,64.389 104.394,64.135 ; 104.521,65.278 104.521,64.389 ; 104.394,64.135 104.521,64.135 ; 104.521,64.135 104.521,64.389
  Bottom Layer w2.8: JP2.3@93.654,105.537 93.654,90.877 96.139,88.392 105.41,88.392 111.252,82.55 111.252,77.851 110.324,76.923
  other v2: 109.728,76.2 110.744,76.2 109.728,77.279 110.744,77.279 111.76,77.279 110.744,78.359 111.76,78.359
U1_BMA2: C14.1 JP2.4 Q6.3 Q8.2 U1.37 | length 61.9
  Component Side w0.279: U1.37@89.619,48.141 89.619,48.725 91.313,50.419 v1(100.711,50.419) ; v1(100.711,81.534) 100.838,81.661 C14.1@101.839,81.661
  Component Side w1.5: Q8.2@109.338,95.64 Q8.2@109.601,95.64
  Component Side w2.8: JP2.4@97.48,105.537 99.441,105.537 Q8.2@109.338,95.64
  Bottom Layer w0.279: v1(100.711,50.419) 100.711,70.739 101.981,72.009 101.981,77.851 100.711,79.121 100.711,79.502 v1(100.711,81.534)
U1_BMB1: C5.1 JP2.1 Q1.3 Q3.2 U1.48 | length 48.8
  Component Side w0.279: 81.026,64.008 82.042,64.008 ; 81.915,64.389 82.042,64.262 82.042,64.008 ; U1.48@84.117,48.141 84.117,50.249 82.042,52.324 82.042,64.008
  Bottom Layer w2.8: JP2.1@86.05,105.537 86.05,89.464 89.408,86.106 89.408,78.232 v2(88.456,77.279) 88.011,76.835
  other v2: 87.376,76.2 88.456,76.2 87.376,77.279 89.535,77.279 88.456,78.359 89.535,78.359
U1_BMB2: C6.1 JP2.2 Q2.3 Q4.2 U1.45 | length 49.6
  Component Side w0.279: v1(78.994,80.518) 78.994,81.486 C6.1@79.17,81.661 ; U1.45@85.618,48.141 85.618,53.106 v1(86.233,53.721)
  Component Side w1.5: Q4.2@87.418,95.64 Q4.2@89.86,98.082
  Component Side w2.8: Q4.2@89.86,98.336 JP2.2@89.86,105.537
  Bottom Layer w0.279: v1(78.994,80.518) 79.121,80.391 79.121,57.277 82.677,53.721 v1(86.233,53.721)
U1_CA1: C13.2 U1.42 | length 27.9
  Component Side w0.279: U1.42@87.117,48.141 87.117,50.541 88.519,51.943 88.519,57.277 90.043,58.801 102.87,58.801 103.52,59.451 C13.2@103.52,61.722
U1_CA2: C14.2 U1.35 | length 46.1
  Component Side w0.279: U1.35@91.067,46.19 92.164,46.19 92.837,46.863 v1(92.837,49.276)
  Component Side w0.7: v1@103.124,80.645 v1(103.139,80.66) C14.2@103.139,81.661
  Bottom Layer w0.254: v1(92.837,49.276) 101.346,49.276 101.854,49.784 101.854,70.231 103.139,71.516 v1(103.139,80.66)
U1_CB1: C5.2 U1.2 | length 18.8
  Component Side w0.279: C5.2@80.914,61.722 80.914,51.928 82.931,49.911 82.931,47.879 83.947,46.863 83.947,46.355 83.782,46.19 U1.2@82.669,46.19 81.826,46.19
U1_CB2: C6.2 U1.43 | length 37
  Component Side w0.279: C6.2@80.47,81.661 80.47,80.439 v1(80.518,80.391) ; v1(86.233,55.245) 87.757,53.721 87.757,51.943 86.619,50.805 U1.43@86.619,48.141
  Bottom Layer w0.279: v1(80.518,80.391) 80.518,60.96 v1(86.233,55.245)
U1_DRV_ENN: R19.1 U1.28 U3.128 | length 41.5
  Component Side w0.254: 69.33,44.057 U3.128@71.51,44.057
  Component Side w0.279: U1.28@91.067,42.69 93.629,42.69 93.639,42.68 93.718,42.68 v1(94.869,41.529) 94.996,41.529 95.504,41.021 R19.1@97.394,41.021
  Component Side w0.3: v1(67.31,43.053) 68.326,43.053 69.33,44.057
  Bottom Layer w0.3: v1(67.31,43.053) 68.326,43.053 69.198,43.925 73.055,43.925 76.594,40.386 89.789,40.386 90.932,41.529 v1(94.869,41.529)
U1_HA1: D6.2 R12.1 U1.41 | length 26.3
  Component Side w0.279: U1.41@87.617,48.141 87.617,50.237 89.154,51.774 89.154,56.769 90.17,57.785 v1(97.536,57.785)
  Component Side w0.7: v1(97.536,60.833) 97.551,60.848 R12.1@97.551,61.722 98.806,61.722 99.632,62.547 D6.2@99.632,64.389
  Bottom Layer w0.279: v1(97.536,57.785) v1(97.536,60.833)
U1_HA2: D7.2 R13.1 U1.36 | length 41.9
  Component Side w0.279: U1.36@91.067,46.69 91.313,46.937 v1(91.313,48.641)
  Component Side w0.7: v1(97.536,80.645) 97.551,80.66 R13.1@97.551,81.661 98.298,81.661 99.632,82.995 D7.2@99.632,84.582
  Bottom Layer w0.279: v1(91.313,48.641) 91.313,65.278 94.996,68.961 94.996,78.105 v1(97.536,80.645)
U1_HB1: D1.2 R1.1 U1.1 | length 22.6
  Component Side w0.279: R1.1@75.326,61.595 75.326,60.31 79.819,55.816 79.819,51.625 82.296,49.149 82.296,47.064 U1.1@82.669,46.69 U1.1@82.596,46.69
  Component Side w0.7: R1.1@75.326,61.595 76.454,61.595 77.47,62.611 D1.2@77.47,64.643
U1_HB2: D2.2 R2.1 U1.44 | length 47.3
  Component Side w0.279: U1.44@86.119,48.141 86.119,51.829 v1(86.741,52.451)
  Component Side w0.7: v1(75.326,80.533) R2.1@75.326,81.661 75.946,81.661 77.534,83.248 D2.2@77.534,84.582
  Bottom Layer w0.279: v1(75.326,80.533) 74.183,80.533 73.66,80.01 73.66,61.214 82.423,52.451 v1(86.741,52.451)
U1_LA1: D8.2 R15.1 U1.39 | length 36.8
  Component Side w0.279: U1.39@88.618,48.141 88.618,49.502 91.313,52.197 108.204,52.197 110.109,54.102 110.109,61.849
  Component Side w0.7: R15.1@108.6,61.849 110.109,61.849 110.807,62.547 D8.2@110.807,64.389
U1_LA2: D9.2 R16.1 U1.38 | length 60.8
  Component Side w0.279: U1.38@89.118,48.141 89.118,49.113 91.44,51.435 109.093,51.435 111.506,53.848 v1(111.506,61.214)
  Component Side w0.7: v1(108.077,80.137) 108.6,80.66 R16.1@108.6,81.661 110.109,81.661 110.807,82.359 D9.2@110.807,84.582
  Bottom Layer w0.279: v1(108.077,80.137) 108.077,62.484 109.347,61.214 v1(111.506,61.214)
U1_LB1: D4.2 R4.1 U1.47 | length 18.3
  Component Side w0.279: U1.47@84.618,48.141 84.618,57.313 86.248,58.943 R4.1@86.248,61.722
  Component Side w0.7: R4.1@86.248,61.722 87.122,61.722 88.328,62.928 D4.2@88.328,64.389
U1_LB2: D5.2 R5.1 U1.46 | length 43.2
  Component Side w0.279: U1.46@85.118,48.141 85.118,56.543 89.535,60.96 v1(89.535,62.103)
  Component Side w0.7: v1(86.487,80.518) 86.502,80.533 R5.1@86.502,81.788 87.757,81.788 88.582,82.614 D5.2@88.582,84.836
  Bottom Layer w0.279: v1(86.487,80.518) 84.328,78.359 84.328,67.564 89.535,62.357 v1(89.535,62.103)
U1_REFL_DIR: R17.2 U3.118 | length 17.3
  Component Side w0.279: U3.118@71.51,39.057 73.973,39.057 74.803,38.227 v1(78.359,38.227)
  Bottom Layer w0.279: v1(78.359,38.227) 79.375,38.227 83.185,34.417 85.598,34.417 86.248,33.767 R17.2@86.614,33.767
U1_REFL_STEP: U1.17 U3.96 | length 30.6
  Component Side w0.279: U3.96@63.71,32.757 63.71,31.667 64.516,30.861 v1(65.786,30.861) ; v1(85.217,33.528) 85.217,35.687 86.119,36.589 U1.17@86.119,39.741
  Bottom Layer w0.279: v1(65.786,30.861) 68.453,33.528 v1(85.217,33.528)
U1_SD_MODE: U1.21 U3.117 | length 25
  Component Side w0.3: U3.117@71.51,38.557 73.711,38.557 74.803,37.465 v1(77.343,37.465) ; v1(81.407,34.544) 83.312,32.639 85.852,32.639 88.118,34.905 U1.21@88.118,39.741
  Bottom Layer w0.3: v1(77.343,37.465) 78.74,37.465 81.407,34.798 v1(81.407,34.544)
U1_SPI1_SCN: U1.13 U3.119 | length 15.1
  Component Side w0.279: U3.119@71.51,39.557 74.362,39.557 74.803,39.116 79.121,39.116 80.772,37.465 82.931,37.465 84.117,38.651 U1.13@84.117,39.741
U1_SPI_MODE: U1.22 U3.116 | length 26.4
  Component Side w0.279: U3.116@71.51,38.057 72.941,38.057 v1(73.66,37.338) ; 88.392,34.036 88.618,34.262 U1.22@88.618,39.741
  Component Side w0.3: v1(79.502,34.417) 79.502,34.544 82.296,31.75 86.106,31.75 88.392,34.036
  Bottom Layer w0.3: v1(73.66,37.338) 75.438,37.338 78.359,34.417 v1(79.502,34.417)
U1_SRAH: R18.1 U1.8 | length 57.9
  Component Side w0.279: v1(76.581,41.91) 80.01,41.91 81.29,43.19 U1.8@82.669,43.19
  Component Side w0.3: v1(68.453,78.486) R18.1@68.453,87.615
  Bottom Layer w0.279: v1(68.453,78.486) 70.993,78.486 72.644,76.835 72.644,60.96 77.47,56.134 77.47,47.625 76.581,46.736 v1(76.581,41.91)
U1_SRAL: R25.1 U1.7 | length 63
  Component Side w0.3: R25.1@62.357,87.615 62.484,87.488 65.674,87.488 66.802,86.36 v1(66.802,78.359) ; v1(75.438,42.799) 75.819,43.18 76.454,43.18 77.216,42.418 79.629,42.418 80.902,43.691 U1.7@82.669,43.691
  Bottom Layer w0.3: v1(66.802,78.359) 67.945,77.216 70.739,77.216 71.882,76.073 71.882,60.706 76.708,55.88 76.708,48.26 75.438,46.99 v1(75.438,42.799)
U1_SRBH: R7.1 U1.9 | length 38
  Component Side w0.279: R7.1@68.58,68.169 v1(68.58,66.675) 68.58,64.77 74.803,58.547 74.803,47.625 74.349,47.171 74.349,42.491 75.692,41.148 80.01,41.148 81.552,42.69 U1.9@82.669,42.69
U1_SRBL: R11.1 U1.10 | length 42.7
  Component Side w0.279: R11.1@62.484,68.169 v1(62.484,66.929) 65.278,66.929 73.816,58.391 73.816,42.008 75.311,40.513 80.137,40.513 81.816,42.192 U1.10@82.669,42.192
U1_SWN_DIAG0: R24.1 U1.26 U3.126 | length 32.8
  Component Side w0.279: v1(69.596,41.783) 69.596,42.418 70.235,43.057 U3.126@71.51,43.057
  Component Side w0.3: U1.26@91.067,41.692 92.039,41.692 93.726,40.005 v1(93.726,39.378) R24.1@93.726,38.75
  Bottom Layer w0.3: v1(69.596,41.783) 72.644,41.783 75.311,39.116 80.982,39.116 81.007,39.141 93.37,39.141 93.607,39.378 v1(93.726,39.378)
U1_SWP_DIAG1: R23.1 U1.27 U3.127 | length 39.9
  Component Side w0.279: v1(68.326,42.164) 69.719,43.557 U3.127@71.51,43.557 ; U1.27@91.067,42.192 92.936,42.192 94.869,40.259 v1(94.869,40.132)
  Component Side w0.3: v1(94.869,40.132) 95.631,39.37 R23.1@97.394,39.37
  Bottom Layer w0.279: v1(68.326,42.164) 69.36,43.198 72.626,43.198 76.073,39.751 92.456,39.751 92.842,40.137 93.991,40.137 93.995,40.132 v1(94.869,40.132)
U1_VCC: C7.2 R3.2 U1.29 | length 10.6
  Component Side w0.279: 93.842,43.169 v1(94.107,43.434)
  Component Side w0.3: U1.29@91.067,43.19 93.82,43.19
  Bottom Layer w0.3: R3.2@86.868,43.165 C7.2@88.773,43.165 88.787,43.179 88.914,43.053 89.295,43.434 v1(94.107,43.434)
U2_5VOUT: C53.2 R44.1 U2.5 U8.2 | length 29.1
  Component Side w0.279: 16.751,42.532 v1(18.811,44.592) 18.91,44.691 U2.5@27.551,44.691
  Component Side w0.3: U8.2@12.977,40.764 14.983,40.764 16.751,42.532
  Bottom Layer w0.279: v1(18.811,44.592) C53.2@29.972,44.592 R44.1@31.75,44.592
U2_12VOUT: C46.2 U2.3 | length 7.6
  Component Side w0.279: C46.2@20.843,45.72 20.843,46.116 21.209,46.482 24.765,46.482 25.555,45.692 U2.3@27.551,45.692
U2_BMA1: C54.1 JP5.3 Q13.3 Q15.2 U2.40 | length 55.5
  Component Side w0.279: U2.40@33,48.141 33,61.582 C54.1@33.267,61.849
  Bottom Layer w2.8: JP5.3@27.868,105.791 27.868,102.053 29.21,100.711 39.116,100.711 42.672,97.155 42.672,78.232 41.148,76.708
  other v2: 40.64,76.2 41.783,76.2 42.926,77.089 40.64,77.216 41.783,77.216 41.783,78.232 42.926,78.232
U2_BMA2: C55.1 JP5.4 Q14.3 Q16.2 U2.37 | length 53.9
  Component Side w0.257: v1(33.02,80.137) 33.02,81.676 C55.1@33.132,81.788 ; U2.37@34.501,48.141 34.501,53.932 35.56,54.991 v1(35.56,56.769)
  Component Side w2.8: JP5.4@31.568,105.537 38.227,105.537 40.963,102.801 Q16.2@40.963,95.64
  Bottom Layer w0.257: v1(33.02,80.137) 34.798,80.137 35.56,79.375 v1(35.56,56.769)
U2_BMB1: C50.1 JP5.1 Q9.3 Q11.2 U2.48 | length 64.1
  Component Side w0.279: v1(7.239,53.594) 7.239,52.451 8.382,51.308 27.813,51.308 28.999,50.122 U2.48@28.999,48.141 ; C50.1@10.16,61.73 C50.1@10.28,61.849
  Bottom Layer w0.279: v1(7.239,53.594) 7.239,56.388 8.001,57.15 8.001,58.801 v1(10.16,60.96)
  Bottom Layer w2.8: 18.796,76.835 19.526,77.565 19.875,77.914 20.066,78.105 JP5.1@20.066,105.537 JP5.1@20.066,105.791
  other v2: 18.288,76.327 19.558,76.327 18.542,77.47 19.621,77.47 20.701,77.47 19.558,78.486 20.955,78.486
U2_BMB2: C51.1 JP5.2 Q10.3 Q12.2 U2.45 | length 83.2
  Component Side w0.279: v1(15.875,54.864) 18.669,54.864 19.939,53.594 28.829,53.594 30.5,51.923 U2.45@30.5,48.141
  Component Side w2.8: Q12.2@18.48,95.64 23.876,101.036 JP5.2@23.876,105.537
  Bottom Layer w0.279: v1(10.033,80.899) 2.794,80.899 1.778,79.883 1.778,53.594 4.064,51.308 12.319,51.308 v1(15.875,54.864)
U2_CA1: C54.2 U2.42 | length 16.5
  Component Side w0.279: v1(31.496,54.356) 31.999,53.853 U2.42@31.999,48.141 ; v1(34.544,60.706) 34.567,60.729 C54.2@34.567,61.849
  Bottom Layer w0.279: v1(31.496,54.356) 31.496,59.817 32.385,60.706 v1(34.544,60.706)
U2_CA2: C55.2 U2.35 | length 40.7
  Component Side w0.279: C55.2@34.432,81.788 34.686,82.042 34.813,81.915 v1(35.306,81.915) ; U2.35@35.949,46.19 36.919,46.19 38.1,47.371 v1(38.1,54.737)
  Bottom Layer w0.279: v1(35.306,81.915) 37.338,81.915 38.227,81.026 38.1,80.899 v1(38.1,54.737)
U2_CB1: C50.2 U2.2 | length 40.6
  Component Side w0.279: v1(5.334,56.515) 5.334,52.07 7.493,49.911 14.859,49.911 17.526,47.244 25.146,47.244 26.2,46.19 U2.2@27.551,46.19 ; C50.2@11.58,61.849 v1(12.446,61.849)
  Bottom Layer w0.279: v1(5.334,56.515) 6.35,56.515 7.366,57.531 7.366,59.69 9.525,61.849 v1(12.446,61.849)
U2_CB2: C51.2 U2.43 | length 66.4
  Component Side w0.279: C51.2@11.516,81.788 11.516,80.223 11.049,79.756 3.302,79.756 2.413,78.867 2.413,60.96 3.429,59.944 16.256,59.944 21.082,55.118 29.464,55.118 31.501,53.081 U2.43@31.501,48.141
U2_DRV_ENN: R60.1 U2.28 U3.47 | length 21.4
  Component Side w0.279: U2.28@35.949,42.69 37.574,42.69 39.624,40.64 R60.1@41.133,40.64 ; R60.1@41.402,40.386 41.656,40.386 42.418,39.624 45.212,39.624 45.72,40.132 45.72,45.212 47.565,47.057 U3.47@50.41,47.057
U2_HA1: D17.2 R53.1 U2.41 | length 19.8
  Component Side w0.279: R53.1@28.717,61.976 28.717,58.532 32.499,54.75 U2.41@32.499,48.141
  Component Side w0.7: R53.1@28.717,61.976 29.718,61.976 30.924,63.182 D17.2@30.924,64.897
U2_HA2: D18.2 R54.1 U2.36 | length 49.6
  Component Side w0.279: U2.36@35.949,46.69 36.657,46.69 37.592,47.625 37.592,53.34 36.703,54.229 v1(36.703,54.864)
  Component Side w0.7: v1(28.829,80.899) 28.829,81.773 R54.1@28.844,81.788 29.591,81.788 30.924,83.121 D18.2@30.924,84.709
  Bottom Layer w0.279: v1(28.829,80.899) 28.956,81.026 36.957,81.026 37.465,80.518 37.465,56.007 36.703,55.245 v1(36.703,54.864)
U2_HB1: D12.2 R42.1 U2.1 | length 37.9
  Component Side w0.279: v1(6.35,57.785) 6.35,52.07 7.874,50.546 15.494,50.546 18.034,48.006 25.4,48.006 26.716,46.69 U2.1@27.551,46.69
  Component Side w0.3: v1(6.35,60.833) 6.38,60.863 R42.1@6.38,61.849
  Component Side w0.7: R42.1@6.38,61.849 7.747,61.849 8.445,62.547 D12.2@8.445,64.897
  Bottom Layer w0.279: v1(6.35,57.785) v1(6.35,60.833)
U2_HB2: D13.2 R43.1 U2.44 | length 67
  Component Side w0.279: U2.44@31.001,48.141 31.001,52.438
  Component Side w0.3: R43.1@5.984,81.788 5.984,81.041 5.461,80.518 2.413,80.518 1.524,79.629 1.524,60.198 2.667,59.055 15.748,59.055 20.447,54.356 29.083,54.356 31.001,52.438
  Component Side w0.7: R43.1@5.984,81.788 7.493,81.788 8.319,82.614 D13.2@8.319,84.709